# Altium PCB radioboard.PcbDoc (part 3 of 9)
Units mm, origin at the board's own origin, x right, y up, seen from the top; angles counter-clockwise.
Board outline 69.97 x 64.48 mm, 4 copper layers (Top Layer, Signal Layer 1, Signal Layer 2, Bottom Layer), stack 1.56 mm thick; 258 components, 165 nets, 993 pads, 10021 vias.
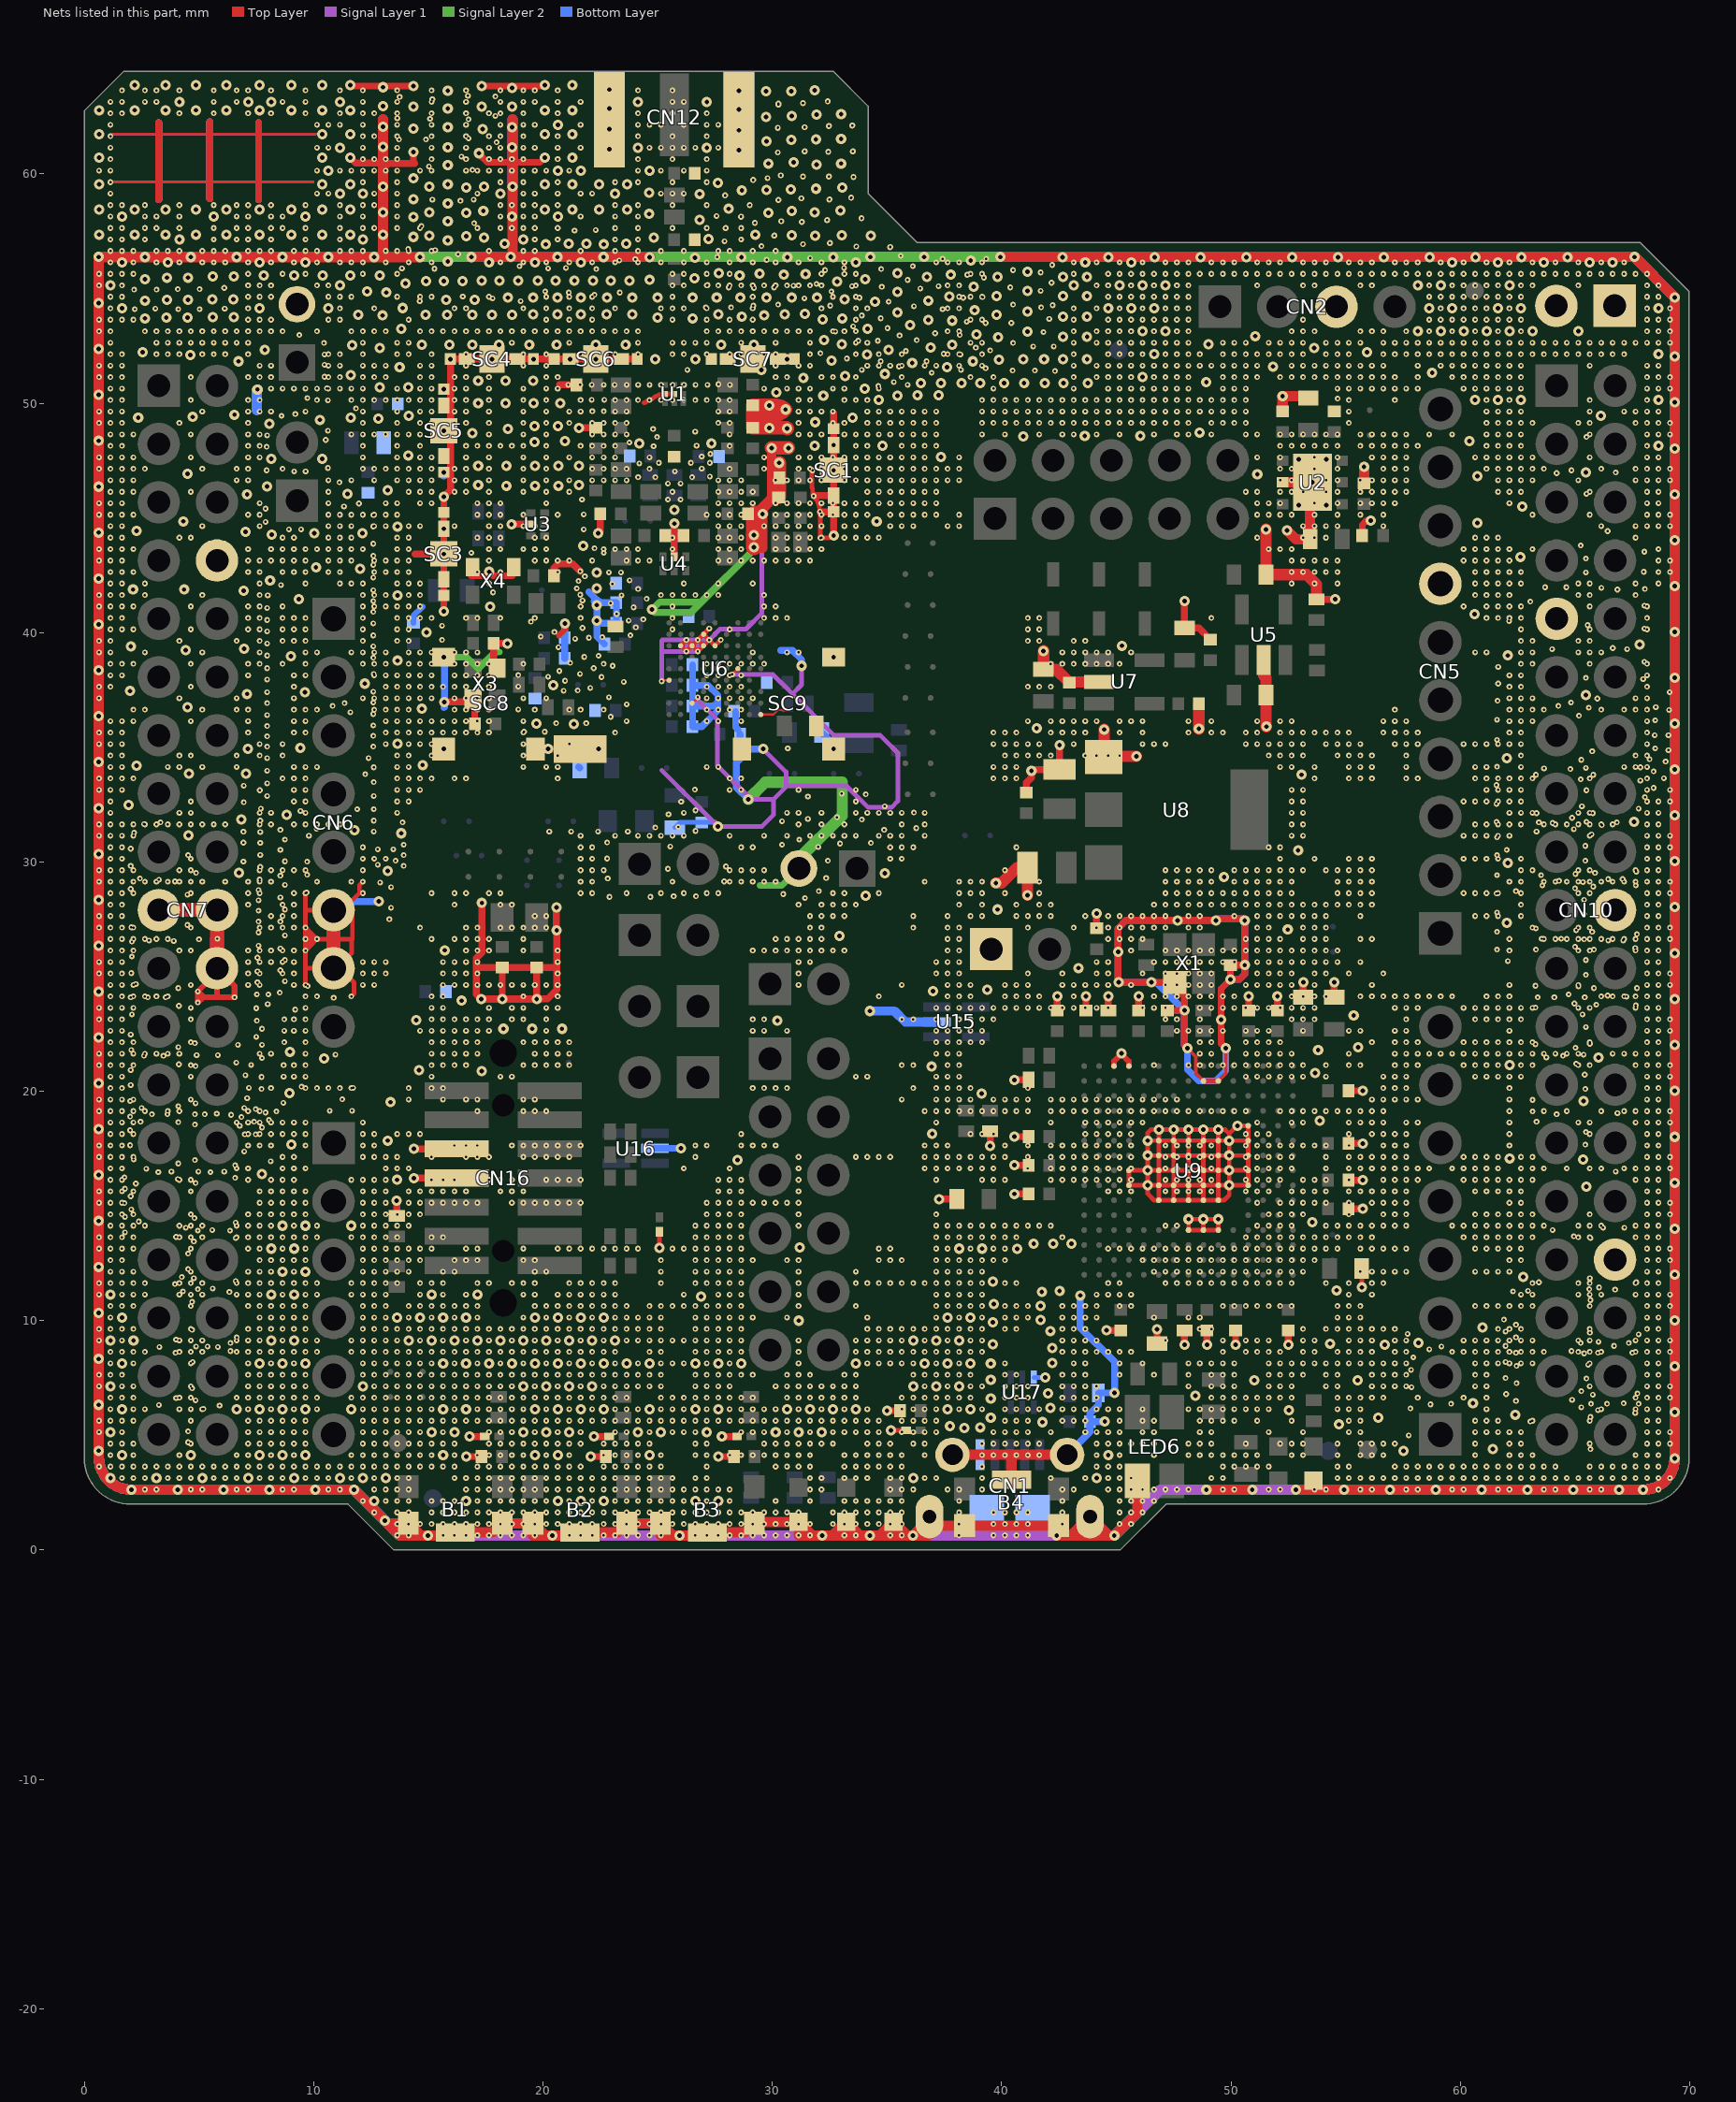
[diagram p5: the nets of this part, all layers, seen from the top]

## Via types
v1: diameter 0.25, hole 0.1, Signal Layer 2 to Bottom Layer, tented bottom, 4578 vias
v2: diameter 0.25, hole 0.1, Top Layer to Signal Layer 1, tented top, 4140 vias
v3: diameter 0.45, hole 0.2, Top Layer to Bottom Layer, tented both sides, 1295 vias
v4: diameter 0.25, hole 0.1, Top Layer to Signal Layer 1, tented both sides, 8 vias

## Nets (pads, with @x,y where several pads share a name; then routed paths per layer and width w, separated by ;. In a path a pad name is that pad's centre, name@x,y a point inside that pad or via, vN(x,y) a via of type N, cw(c..) or ccw(c..) an arc to the next point about the centre after c; other vN are vias at no path point) (continued)
GND: B1.1 B1.3 B1.5 B2.1 B2.3 B2.5 B3.1 B3.3 B3.5 B4.2 B4.4 B4.5 C5.1 C6.1 C7.1 C8.1 C9.1 C10.1 C11.1 C14.1 C17.1 C18.1 C19.1 C21.1 C22.1 C23.1 C24.2 C25.1 C26.1 C27.1 C28.1 C29.1 C30.1 C32.1 C33.1 C34.1 C35.1 C36.1 C37.2 C38.1 C39.1 C40.1 C41.1 C42.1 C43.2 C44.2 C45.1 C46.1 C47.1 C48.1 C49.1 C50.1 C51.1 C52.1 C53.1 C54.1 C55.1 C56.1 C57.1 C58.1 C59.1 C60.1 C61.1 C62.1 C63.1 C64.1 C65.1 C66.1 C67.1 C68.1 C69.1 C70.1 C71.1 C72.1 C73.1 C74.1 C75.1 C76.1 C77.2 C78.1 C79.1 C80.1 C81.1 C82.1 C83.1 C84.1 C85.1 C86.1 C87.1 C88.1 C89.1 C90.1 C92.1 C93.1 C94.1 C95.1 C96.1 C97.1 C98.1 C99.1 C100.1 C101.1 CN1.5 CN1.6 CN1.7 CN1.8 CN1.9 CN1.10 CN1.11 CN2.3 CN4.1 CN4.2 CN5.7 CN6.6 CN6.7 CN7.8 CN7.19 CN7.20 CN7.22 CN10.9 CN10.20 CN10.32 CN11.2 CN12.2 CN12.3 CN12.4 CN12.5 CN13.2 CN16.5 CN16.7 JP6.1 LED1.2 LED2.2 LED3.2 LED5.2 LED6.1 R1.1 R5.1 R8.1 R10.1 R14.1 R18.1 R26.1 R41.1 SC1.1 SC2.1 SC3.1 SC4.1 SC5.1 SC6.1 SC7.1 SC8.1 SC9.1 U1.6 U1.9 U2.2 U2.EP U3.2 U4.2 U5.2 U6.A1 U6.B7 U6.D9 U6.E3 U6.G5 U6.G6 U6.G7 U6.G8 U6.H6 U7.2 U8.1 U9.D5 U9.D6 U9.D7 U9.D8 U9.D9 U9.F2 U9.F6 U9.F7 U9.F8 U9.F9 U9.F10 U9.F12 U9.G2 U9.G6 U9.G7 U9.G8 U9.G9 U9.G10 U9.G12 U9.H6 U9.H7 U9.H8 U9.H9 U9.H10 U9.H12 U9.J6 U9.J7 U9.J8 U9.J9 U9.J10 U9.K6 U9.K7 U9.K8 U9.K9 U9.K10 U9.M1 U9.M8 U9.M9 U9.N1 U10.2 U11.2 U12.2 U13.2 U14.2 U15.2 U16.2 U17.3 U18.2 X1.2 X3.2 X3.4 X4.1 X4.2 | length 1466.1
  Top Layer w0.09: v4(25.176,37.877) 25.175,37.878 25.175,37.925 U6.D9@25.5,37.925 ; U6.A1@29.5,36.425 30.05,36.425 30.25,36.625 30.468,36.625
  Top Layer w0.1: v1(1.143,59.638) 3.25,59.638 9.977,59.638 ; v1(1.143,61.638) 1.248,61.743 10.082,61.743
  Top Layer w0.12: U6.B7@26.5,36.925 v2(26.75,37.175) ; v2(28.25,38.175) U6.E3@28.5,38.425 ; 30.468,36.625 30.625,36.625
  Top Layer w0.15: v3(48.1,21.875) 48.47,21.505 48.47,20.78 U9.G2@48.8,20.45 ; U9.F2@49.45,20.45 49.775,20.775 v3(49.775,21.875)
  Top Layer w0.2: v2(9.693,28.663) 9.643,28.613 9.643,27.825 ; v2(9.743,24.588) 9.643,24.688 9.643,25.35 ; 10.867,26.625 10.854,26.638 ; v2(11.643,24.138) 11.764,24.259 11.764,24.736 11.139,25.361 CN6.7@11,25.361 ; v2(12.143,29.138) 11.995,28.99 11.995,28.64 11.256,27.901 CN6.6@10.867,27.901 ; 24.4,50.025 ccw(c24.4,50.206) 24.528,50.078 ; 24.75,50.175 cw(c25.293,49.632) 25.293,50.4 U1.6@25.325,50.4 U1.9@25.725,50.4 ; v3(25.075,13.175) U10.2@25.075,13.875 ; v2(27.25,40.175) U6.H6@27,39.925 ; v2(27.75,39.675) U6.G5@27.5,39.425 v2(27.25,39.675) ; v2@31.725,47.075 31.725,46.323 31.757,46.291 31.757,45.993 v2@31.792,45.958 ; v3(32.675,44.225) cw(c32.434,44.466) 32.434,44.125 v2(32.1,44.125) 32.1,45.215 ccw(c32.015,45.215) v2(32.075,45.275) ccw(c31.109,45.275) v2(31.8,45.95) ; v3(35.175,5.225) U11.2@35.838,5.225 ; v3(55.7,11.45) C61.1@55.7,12.275 ; 9.643,25.35 v1(9.643,26.138) ; 9.643,25.35 9.654,25.361 CN6.7@10.867,25.361 CN6.7@11,25.361 ; v1(9.643,26.138) 9.828,26.323 ; v1(9.643,26.138) v2(9.643,26.638) ; v2(9.643,26.638) 9.828,26.638 ; v2(9.643,26.638) v1(9.643,27.138) ; v1(9.643,27.138) 9.643,27.825 ; v1(9.643,27.138) 9.828,26.953 ; 9.643,27.825 9.719,27.901 CN6.6@10.867,27.901 ; 9.828,26.323 v2(10.143,26.638) ; 9.828,26.323 9.828,26.638 ; 9.828,26.638 v2(10.143,26.638) ; 9.828,26.638 9.828,26.953 ; 9.828,26.953 v2(10.143,26.638) ; v2(10.143,26.638) 10.854,26.638 ; 10.854,26.638 10.867,26.638 11.688,26.638 ; CN6.6@10.867,27.901 10.968,27.8 11.688,27.8 11.688,26.638 ; CN6.7@11,25.361 11.656,26.017 11.656,26.606 11.688,26.638 ; U6.G7@26.5,39.425 v2(26.75,39.675) ; U6.G7@26.5,39.425 v2(26.25,39.175) U6.G8@26,39.425 v2(26.25,39.675) U6.G7@26.5,39.425 ; U6.G7@26.5,39.425 v2(26.75,39.175) U6.G6@27,39.425 ; v2(26.75,39.675) U6.G6@27,39.425 ; v2(26.75,39.675) U6.H6@27,39.925 ; U6.G6@27,39.425 v2(27.25,39.675) ; U6.H6@27,39.925 v2(27.25,39.675) ; v2@31.792,45.958 cw(c31.109,45.275) v2(31.8,45.95) ; v2@31.792,45.958 v2(31.8,45.95) ; v3(46.375,15.9) 46.375,15.525 46.65,15.25 U9.K10@46.85,15.25 ; v3(46.375,15.9) U9.K9@46.85,15.9 ; v3(46.375,15.9) U9.M9@45.55,15.9 U9.M8@45.55,16.55 v3(46.375,16.55) ; v3(46.375,15.9) v3(46.375,16.55) ; v3(46.375,16.55) U9.K8@46.85,16.55 ; v3(46.375,16.55) v3(46.375,17.2) ; v3(46.375,17.2) U9.K7@46.85,17.2 ; v3(46.375,17.2) v3(46.375,17.85) ; v3(46.375,17.85) U9.K6@46.85,17.85 ; v3(46.375,17.85) 46.375,18.2 46.5,18.325 v3(46.85,18.325) ; U9.K10@46.85,15.25 U9.K9@46.85,15.9 ; U9.K10@46.85,15.25 U9.J10@47.5,15.25 ; U9.K9@46.85,15.9 U9.K8@46.85,16.55 ; U9.K9@46.85,15.9 U9.J9@47.5,15.9 ; U9.K8@46.85,16.55 U9.K7@46.85,17.2 ; U9.K8@46.85,16.55 U9.J8@47.5,16.55 ; U9.K7@46.85,17.2 U9.K6@46.85,17.85 ; U9.K7@46.85,17.2 U9.J7@47.5,17.2 ; U9.K6@46.85,17.85 v3(46.85,18.325) ; U9.K6@46.85,17.85 U9.J6@47.5,17.85 ; v3(46.85,18.325) v3(47.5,18.325) ; U9.J10@47.5,15.25 U9.H10@48.15,15.25 ; U9.J10@47.5,15.25 U9.J9@47.5,15.9 ; U9.J9@47.5,15.9 U9.J8@47.5,16.55 ; U9.J9@47.5,15.9 U9.H9@48.15,15.9 ; U9.J8@47.5,16.55 U9.J7@47.5,17.2 ; U9.J8@47.5,16.55 U9.H8@48.15,16.55 ; U9.J7@47.5,17.2 U9.J6@47.5,17.85 ; U9.J7@47.5,17.2 U9.H7@48.15,17.2 ; U9.J6@47.5,17.85 v3(47.5,18.325) ; U9.J6@47.5,17.85 U9.H6@48.15,17.85 ; v3(47.5,18.325) v3(48.15,18.325) ; U9.H10@48.15,15.25 U9.G10@48.8,15.25 ; U9.H10@48.15,15.25 U9.H9@48.15,15.9 ; U9.H9@48.15,15.9 U9.H8@48.15,16.55 ; U9.H9@48.15,15.9 U9.G9@48.8,15.9 ; U9.H8@48.15,16.55 U9.H7@48.15,17.2 ; U9.H8@48.15,16.55 U9.G8@48.8,16.55 ; U9.H7@48.15,17.2 U9.H6@48.15,17.85 ; U9.H7@48.15,17.2 U9.G7@48.8,17.2 ; U9.H6@48.15,17.85 v3(48.15,18.325) ; U9.H6@48.15,17.85 U9.G6@48.8,17.85 ; v3(48.15,18.325) v3(48.8,18.325) ; U9.G12@48.8,13.95 v3(48.8,14.425) ; U9.G12@48.8,13.95 U9.F12@49.45,13.95 v3(49.45,14.425) v3(48.8,14.425) ; U9.G12@48.8,13.95 U9.H12@48.15,13.95 v3(48.15,14.425) v3(48.8,14.425) ; U9.G10@48.8,15.25 U9.F10@49.45,15.25 ; U9.G10@48.8,15.25 U9.G9@48.8,15.9 ; U9.G9@48.8,15.9 U9.G8@48.8,16.55 ; U9.G9@48.8,15.9 U9.F9@49.45,15.9 ; U9.G8@48.8,16.55 U9.G7@48.8,17.2 ; U9.G8@48.8,16.55 U9.F8@49.45,16.55 ; U9.G7@48.8,17.2 U9.G6@48.8,17.85 ; U9.G7@48.8,17.2 U9.F7@49.45,17.2 ; U9.G6@48.8,17.85 v3(48.8,18.325) ; U9.G6@48.8,17.85 U9.F6@49.45,17.85 ; v3(48.8,18.325) v3(49.45,18.325) ; U9.F10@49.45,15.25 U9.F9@49.45,15.9 ; U9.F10@49.45,15.25 49.7,15.25 49.925,15.475 v3(49.925,15.9) ; U9.F9@49.45,15.9 U9.F8@49.45,16.55 ; U9.F9@49.45,15.9 v3(49.925,15.9) ; U9.F8@49.45,16.55 U9.F7@49.45,17.2 ; U9.F8@49.45,16.55 v3(49.925,16.55) ; U9.F7@49.45,17.2 U9.F6@49.45,17.85 ; U9.F7@49.45,17.2 v3(49.925,17.2) ; U9.F6@49.45,17.85 v3(49.45,18.325) ; U9.F6@49.45,17.85 v3(49.925,17.85) ; v3(49.45,18.325) 49.75,18.325 49.925,18.15 ; v3(49.925,15.9) U9.D9@50.75,15.9 U9.D8@50.75,16.55 ; v3(49.925,15.9) v3(49.925,16.55) ; v3(49.925,16.55) U9.D8@50.75,16.55 ; v3(49.925,16.55) v3(49.925,17.2) ; v3(49.925,17.2) U9.D7@50.75,17.2 ; v3(49.925,17.2) v3(49.925,17.85) ; v3(49.925,17.85) 49.925,18.15 ; v3(49.925,17.85) U9.D6@50.75,17.85 ; 49.925,18.15 v3(50.275,18.5) U9.D5@50.75,18.5 U9.D6@50.75,17.85 ; U9.D8@50.75,16.55 U9.D7@50.75,17.2 ; U9.D7@50.75,17.2 U9.D6@50.75,17.85
  Top Layer w0.25: 20.7,39.875 20.95,40.125 v3@20.95,40.35 ; U9.N1@44.9,21.1 44.9,21.325 v3(45.225,21.65) 45.225,21.625 45.55,21.3 U9.M1@45.55,21.1 ; U9.G2@48.8,20.45 U9.F2@49.45,20.45 ; v2(4.95,24.35) CN7.22@5.787,25.187 ; v2(4.95,24.35) v2(4.95,23.875) 5.175,24.1 ; v2(4.95,24.35) 5.175,24.125 5.175,24.1 ; 5.175,24.1 5.8,24.1 ; CN7.22@5.787,25.187 CN7.22@5.787,25.361 6.55,24.598 v2(6.55,24.1) 5.8,24.1 ; CN7.22@5.787,25.187 5.787,24.113 5.8,24.1
  Top Layer w0.3: 3.25,58.875 3.25,59.638 3.25,62.225 ; 5.475,58.925 5.475,62.275 ; 7.6,58.875 7.6,62.225 ; v3(11.6,60.7) 11.825,60.475 12.925,60.475 13.025,60.575 ; v3(11.6,63.875) 11.625,63.9 11.7,63.825 v3(14.35,63.825) ; 13.025,60.325 13.15,60.45 14.4,60.45 14.35,60.5 v3(14.35,60.95) ; R14.1@13.625,14.575 v3(13.625,15.225) ; v3(14.372,16.218) CN16.7@16.232,16.218 ; v3(14.372,17.488) CN16.5@16.232,17.488 ; 14.425,43.425 v3(15.675,43.425) ; v3(15.675,40.925) SC3.1@15.675,41.615 ; v3(15.7,36.975) 16.825,36.975 X3.2@16.95,37.1 17.025,37.025 C38.1@17.025,36.025 ; SC3.1@15.712,41.652 SC3.1@15.675,41.615 ; v3(16.65,4.075) C68.1@17.325,4.075 ; v3(16.8,4.95) U12.2@17.462,4.95 ; X4.2@16.875,42.475 17.475,42.475 v3(17.65,42.65) 17.825,42.475 X4.1@18.675,42.475 ; v3(17.2,60.9) 17.2,60.875 17.575,60.5 18.675,60.5 19.875,60.5 v3(20.075,60.7) ; v3(17.325,63.825) 19.925,63.825 20.025,63.925 v3(20.075,63.875) ; v3(17.337,28.212) 17.337,26.037 17.101,25.801 17.101,25.4 ; X3.4@18,38.45 17.85,38.6 C30.1@17.85,39.525 v3(18.45,39.525) ; v3(18.625,44.725) U3.2@19.475,44.725 ; SC8.1@19.445,34.855 19.515,34.925 v3(20.225,34.925) v3(22.425,34.925) ; C27.1@20.475,42.475 20.475,42.825 20.65,43 21.3,43 v2(21.625,42.675) ; v3(20.588,28.025) 20.588,27.037 v3(20.6,27.025) 20.6,25.4 ; 20.725,50.8 C7.1@21.45,50.8 ; v3(21.575,48.925) C11.1@22.3,48.925 ; v3(22.075,4.075) C69.1@22.75,4.075 ; v3(22.225,4.95) U13.2@22.888,4.95 ; v3(22.4,44.325) 22.5,44.425 C22.1@22.5,45.175 ; SC6.1@24.15,51.925 v3(21.175,51.925) v3(15.965,51.925) 15.965,46.215 v3(15.675,45.925) v3(15.675,44.525) v3(15.675,43.425) ; C24.2@25.325,44.225 25.725,44.225 ; U4.2@25.725,43.3 25.725,44.225 ; v3@25.725,44.8 25.725,44.225 ; C25.1@26.125,44.225 25.725,44.225 ; v3(27.65,4.075) C70.1@28.325,4.075 ; v3(27.8,4.95) U14.2@28.463,4.95 ; v2@31.807,45.993 ccw(c31.85,46.036) 31.85,45.975 SC1.1@32.675,45.975 ; v2@32.1,45.215 cw(c32.222,45.093) 32.222,45.265 SC1.1@32.675,45.265 ; v3(32.675,44.225) SC1.1@32.675,45.265 ; v2@32.675,49.575 v3(32.675,48.175) v3(32.675,47.075) SC1.1@32.675,45.975 ; v3(35,6.075) C67.1@35.575,6.075 ; v3(37.275,15.3) C59.1@38.05,15.3 ; v3(39.5,17.625) R10.1@39.5,18.25 ; v3(40.55,15.525) C58.1@41.175,15.525 ; v3(40.55,16.775) C56.1@41.175,16.775 ; v3(40.55,18.025) C54.1@41.175,18.025 ; v3(40.55,20.5) R8.1@41.175,20.5 ; C100.1@41.075,33.025 41.075,33.45 41.3,33.675 v3(41.3,33.975) 41.35,34.025 C39.1@42.525,34.025 v3(42.525,35.1) ; C47.1@42.425,23.525 v3(42.425,24.15) ; C48.1@43.675,23.525 v3(43.675,24.15) ; C41.1@44.14,27.1 v3(44.14,27.76) ; v3(44.575,9.575) C62.1@45.2,9.575 ; R5.1@44.65,23.525 v3(44.65,24.15) ; v3(45.075,26.075) v3@45.08,26.07 ; C49.1@45.975,23.525 v3(45.975,24.15) ; C63.1@46.775,9 v3(46.775,9.625) ; C50.1@47.3,23.6 C50.1@47.225,23.525 v3(47.975,23.525) ; v3(47.975,8.95) R18.1@47.975,9.575 ; v3(47.975,41.375) C28.1@47.975,40.2 48.6,40.2 C29.1@49.1,39.7 ; v3(48.1,21.875) 47.975,22 v3(47.975,23.525) ; v3(48.95,8.95) C64.1@48.95,9.575 ; v3(49.775,21.875) 49.57,22.08 v3(49.57,23.12) 49.57,24.47 v3(49.975,24.875) ; v3(50.2,8.95) C65.1@50.2,9.575 ; C51.1@50.775,23.525 v3(50.775,24.15) ; C52.1@52.025,23.525 v3(52.025,24.15) ; v3(52.5,8.95) C66.1@52.5,9.575 ; C45.1@53.15,24.1 v3(53.15,24.75) ; R1.1@53.725,41.45 v3(54.55,41.45) ; C46.1@54.5,24.1 v3(54.5,24.75) ; C60.1@55.125,14.875 v3(55.75,14.875) ; C57.1@55.125,16.125 v3(55.75,16.125) ; C55.1@55.125,17.725 v3(55.75,17.725) ; C53.1@55.125,20.025 v3(55.75,20.025) ; C101.1@55.725,44.225 55.725,44.7 55.9,44.875 v3(56.1,44.875) ; SC3.1@15.675,41.615 v3(15.675,43.425) ; 17.101,25.4 C43.2@18.225,25.4 ; 17.101,25.4 17.101,24.224 v3(17.3,24.025) 18.223,24.025 v3(18.225,24.027) ; v3(18.225,24.027) C43.2@18.225,25.4 ; v3(18.225,24.027) 18.226,24.026 19.724,24.026 v3@19.725,24.027 ; C43.2@18.225,25.4 C44.2@19.725,25.4 ; v3@19.725,24.027 v3(19.726,24.026) 20.201,24.026 20.6,24.425 20.6,25.4 ; v3@19.725,24.027 C44.2@19.725,25.4 ; C44.2@19.725,25.4 20.6,25.4 ; SC1.1@32.675,45.265 SC1.1@32.675,45.975 ; v3@45.08,26.07 45.08,24.77 v3(45.1,24.75) v3(46.525,24.75) X1.2@47.55,24.75 47.55,24.6 47.975,24.175 v3(47.975,23.525) ; v3@45.08,26.07 45.08,27.105 45.425,27.45 v3(47.675,27.45) v3(49.35,27.45) 49.375,27.45 49.445,27.52 50.526,27.52 v3(50.599,27.447) v3(50.599,27.447) v3(50.6,25.5) ; v3(49.975,24.875) 50.375,24.875 50.6,25.1 v3(50.6,25.5) ; v3(49.975,24.875) C42.1@49.975,25.5 v3(50.6,25.5)
  Top Layer w0.4: v3(29.2,43.725) ccw(c29.321,43.846) 29.321,43.675 29.598,43.675 29.598,45.119 ccw(c29.519,45.119) v3(29.575,45.175) cw(c30.058,45.175) 29.716,45.516 29.825,45.625 ccw(c29.463,45.987) 29.975,45.987 ; C21.1@29.2,45.115 29.26,45.175 29.906,45.821 ccw(c29.74,45.987) 29.975,45.987 ; v3(29.975,48.05) 29.975,45.987
  Top Layer w0.45: 13.025,62.377 13.025,60.575 ; 13.15,60.45 13.025,60.575 ; v3(14.64,56.373) 13.025,56.373 ; v3(16.873,56.373) 16.875,56.375 v3@24.675,56.375 ; v3@18.598,56.373 ccw(c18.412,56.559) 18.675,56.559 v3(18.675,59.45) 18.675,60.5 18.675,62.377 ; CN1.8@36.856,1.45 CN1.8@36.856,1.356 ; CN1.7@37.856,4.15 40.45,4.15 ; v3(39.95,56.375) v3(67.589,56.375) v3(69.347,54.617) v3(69.347,4) cw(c67.972,4) v3(67.972,2.625) 61.675,2.625 54.926,2.625 v3(52.825,2.625) ; B4.5@40.433,3.066 40.433,4.133 40.45,4.15 ; v3(42.4,0.625) 43.031,0.625 ; B4.2@42.483,1.066 B4.4@38.383,1.066 37.146,1.066 CN1.8@36.856,1.356 ; CN1.6@42.856,4.15 40.45,4.15 ; LED6.1@45.917,3.015 45.917,1.631 v3(44.911,0.625) 44.681,0.625 ; v3(48.926,2.623) v3(50.926,2.623) ; U2.2@52.25,46.55 v3(53.55,46.55) 53.45,46.45 C23.1@53.45,44.075 52.825,44.075 v3(52.45,44.45) ; C10.1@52.25,49.65 v3(52.25,50.3) 53.3,50.3 C9.1@53.375,50.225 ; C18.1@55.8,46.5 v3(55.8,47.225) ; 13.025,56.373 v3(12.64,56.373) v3(10.64,56.373) v3(8.64,56.373) v3(6.64,56.373) v3(4.64,56.373) v3(2.64,56.373) 0.627,56.373 v3(0.625,56.375) 0.625,4.062 ccw(c2.062,4.062) v3(2.062,2.625) v3(11.757,2.625) v3(13.107,1.275) v3@13.214,1.168 ; 13.025,56.373 v3(13.025,59.45) 13.025,60.325 13.025,60.575 ; v3@13.214,1.168 B1.1@14.127,1.168 14.67,0.625 ; v3@13.214,1.168 13.757,0.625 14.67,0.625 ; 14.67,0.625 v3(14.975,0.625) 16.034,0.625 B1.5@16.177,0.768 17.827,0.768 B1.3@18.227,1.168 B2.1@19.561,1.168 ; B2.1@19.561,1.168 20.104,0.625 ; B2.1@19.561,1.168 19.561,0.636 19.572,0.625 20.104,0.625 ; 20.104,0.625 v3(20.4,0.625) 21.468,0.625 B2.5@21.611,0.768 23.261,0.768 B2.3@23.661,1.168 B3.1@25.124,1.168 ; B3.1@25.124,1.168 25.667,0.625 ; B3.1@25.124,1.168 25.124,0.651 25.15,0.625 25.667,0.625 ; 25.667,0.625 v3(25.95,0.625) 27.031,0.625 B3.5@27.174,0.768 28.824,0.768 B3.3@29.224,1.168 29.281,1.225 LED1.2@31.147,1.225 ; LED1.2@31.147,1.225 31.147,0.625 31.747,0.625 ; LED1.2@31.147,1.225 31.747,0.625 ; 31.747,0.625 v3(32.175,0.625) 32.617,0.625 ; 32.617,0.625 LED2.2@33.217,1.225 33.817,0.625 ; 32.617,0.625 33.817,0.625 ; 33.817,0.625 v3(34.25,0.625) 34.677,0.625 ; 34.677,0.625 LED3.2@35.277,1.225 35.877,0.625 ; 34.677,0.625 35.877,0.625 ; 35.877,0.625 v3(36.125,0.625) ; v3(36.125,0.625) 36.8,0.625 36.856,0.681 CN1.8@36.856,1.356 ; v3(36.125,0.625) CN1.8@36.856,1.356 ; 43.031,0.625 CN1.9@43.856,1.45 44.681,0.625 ; 43.031,0.625 44.681,0.625
  Top Layer w0.5: C21.1@28.95,45.175 29.225,45.175 29.26,45.175 v3(29.575,45.175) ; v3(39.75,29.075) 39.991,29.075 40.666,29.75 C40.1@41.125,29.75 v3(41.125,28.55) ; v3(41.825,39.2) C32.1@41.825,38.4 42.375,38.4 C33.1@42.95,37.825 42.975,37.85 U7.2@44.25,37.85 ; U8.1@44.45,34.575 U8.1@44.475,34.6 ; v3(44.475,35.775) U8.1@44.475,34.6 ; v3(45.875,34.6) U8.1@44.475,34.6 ; v3(48.6,35.8) C36.1@48.6,36.9 ; U5.2@51.425,38.8 51.425,38.125 51.525,38.025 C34.1@51.525,37.275 51.525,35.9 v3(51.55,35.9) ; v3(51.525,44.5) C26.1@51.525,42.525 53.3,42.525 53.725,42.1 R1.1@53.725,41.45
  Top Layer w0.6: CN7.19@3.247,27.901 CN7.20@5.787,27.901 CN7.22@5.787,25.361 ; CN6.7@10.867,25.361 10.867,26.625 10.867,26.638 CN6.6@10.867,27.901 ; v3(29.975,48.05) v3(30.7,48.05) ; C19.1@30.275,45.9 ccw(c30.215,45.96) 30.3,45.96 C17.1@30.3,46.75 v3(30.3,47.4) ; 29.15,49.412 C8.1@29.15,49.9 v3(29.875,49.9) 30.153,49.9 ; 29.15,49.412 C14.1@29.15,48.925 v3(29.875,48.925) v3@30.59,48.925 ; 29.15,49.412 29.821,49.412 ccw(c29.821,50.479) v3(30.575,49.725) ; 30.153,49.9 cw(c30.153,49.303) v3(30.575,49.725) ; 30.153,49.9 cw(c30.153,49.303) v3(30.575,49.725) ; v3@30.59,48.925 cw(c30.59,48.84) v3(30.65,48.9) ccw(c30.59,48.84) v3@30.59,48.925
  Top Layer w0.7: v3(29.2,43.725) v3(29.2,44.25) 29.2,45.115 cw(c29.285,45.115) 29.225,45.175
  Signal Layer 1 w0.1: v1(1.143,59.638) 3.25,59.638 9.977,59.638 ; v1(1.143,61.638) 1.248,61.743 10.082,61.743
  Signal Layer 1 w0.2: 25.176,34.002 v3(27.626,31.552) 29.552,31.552 30.05,32.05 30.05,32.725 ; v4(25.176,37.877) 25.176,39.15 ; v2(26.75,37.175) 26.75,37.05 27.6,36.2 27.6,34.2 28.95,32.85 v3(28.95,32.725) 30.05,32.725 ; v2(28.25,38.175) 30.025,38.175 30.875,37.325 ; 28.95,44.275 29.55,43.675 29.55,40.85 28.85,40.15 27.725,40.15 v2(27.25,39.675) v2(26.75,39.675) ; v3(29.6,34.925) 30.6,33.925 30.6,33.275 ; v3(31.275,38.55) 31.275,37.725 30.875,37.325 ; v3(32.675,34.925) 32.675,35.525 ; 25.176,39.15 25.201,39.175 v2(26.25,39.175) ; 25.176,39.15 25.176,39.65 25.201,39.675 v2(26.25,39.675) ; v2(26.25,39.175) v2(26.75,39.175) v2(26.75,39.675) ; v2(26.25,39.175) v2(26.25,39.675) ; v2(26.25,39.675) v2(26.75,39.675) ; 30.05,32.725 30.6,33.275 ; 30.6,33.275 30.645,33.32 33.23,33.32 34.175,32.375 35.2,32.375 35.475,32.65 35.475,34.75 34.7,35.525 32.675,35.525 ; 30.875,37.325 32.675,35.525
  Signal Layer 1 w0.3: 3.25,58.875 3.25,59.638 3.25,62.225 ; 5.475,58.925 5.475,62.275 ; 7.6,58.875 7.6,62.225
  Signal Layer 1 w0.45: v3(0.625,56.375) 0.625,4.062 ccw(c2.062,4.062) v3(2.062,2.625) v3(11.757,2.625) v3(13.107,1.275) 13.757,0.625 v3(44.911,0.625) 46.911,2.625 61.675,2.625 v3(67.972,2.625) ccw(c67.972,4) v3(69.347,4) v3(69.347,54.617) v3(67.589,56.375)
  Signal Layer 1 w0.6: CN7.19@3.475,27.925 3.499,27.901 CN7.20@5.787,27.901 ; CN7.22@5.787,25.361 5.787,26.637 v2(5.8,26.65) 5.8,27.825 CN7.20@5.85,27.875 ; CN6.6@10.825,27.95 10.867,27.908 CN6.6@10.867,27.901 CN6.7@10.867,25.361
  Signal Layer 2 w0.1: v1(1.143,59.638) 3.25,59.638 9.977,59.638 ; v1(1.143,61.638) 1.248,61.743 10.082,61.743
  Signal Layer 2 w0.3: 3.25,58.875 3.25,59.638 3.25,62.225 ; 5.475,58.925 5.475,62.275 ; 7.6,58.875 7.6,62.225 ; v3(15.675,38.925) 16.675,38.925 17.175,38.425 17.9,39.15 18.1,39.15 ; 28,42.45 26.875,41.325 25.075,41.325 v3(24.75,41) 24.875,40.875 26.45,40.875 29.2,43.625 v3(29.2,43.725) v3@29.2,43.775 ; 29.475,28.975 30.42,28.975 CN11.2@31.16,29.715
  Signal Layer 2 w0.45: 0.625,4.062 ccw(c2.062,4.062) v3(2.062,2.625) v3(11.757,2.625) v3(13.107,1.275) 13.757,0.625 v3(44.911,0.625) 46.911,2.625 61.675,2.625 v3(67.972,2.625) ccw(c67.972,4) v3(69.347,4) v3(69.347,54.617) v3(67.589,56.375) v3(0.625,56.375) 0.625,4.062
  Signal Layer 2 w0.5: v3(28.95,32.725) 29.7,33.475 33.05,33.475 33.05,32.025 31.16,30.135 CN11.2@31.16,29.715
  Bottom Layer w0.1: v1(1.143,59.638) 3.25,59.638 9.977,59.638 ; v1(1.143,61.638) 1.248,61.743 10.082,61.743
  Bottom Layer w0.2: C88.1@25.75,31.5 25.975,31.725 C89.1@26.925,31.725 27.525,31.725 27.65,31.6 27.65,31.575 v3(27.626,31.552) ; U17.3@41.4,7.525 v3(41.9,7.525)
  Bottom Layer w0.25: C96.1@14.35,40.425 14.35,40.725 14.75,41.125
  Bottom Layer w0.3: 3.25,58.875 3.25,59.638 3.25,62.225 ; 5.475,58.925 5.475,62.275 ; 7.6,58.875 7.6,62.225 ; CN6.6@10.867,27.901 11.241,28.275 v3(12.85,28.275) ; 15.675,36.725 15.7,36.75 v3(15.7,36.975) 15.7,38.9 v3(15.675,38.925) ; v3(17.3,24.025) 17.302,24.027 19.323,24.027 ; v3(18.225,24.027) 19.323,24.027 ; v3(19.726,24.026) 19.725,24.027 19.323,24.027 ; C79.1@20.95,38.875 C77.2@20.95,39.775 v3(20.95,40.4) ; C87.1@21.55,34.15 C87.1@21.6,34.1 ; 21.996,41.779 22.325,41.45 v3@22.233,41.358 ; C78.1@22.675,39.5 22.35,39.825 v3(22.35,40.525) ; U16.2@24.888,17.512 v3(26.013,17.512) ; C80.1@26.525,38.6 C82.1@26.525,37.7 ; C37.2@28.4,36.55 28.4,35.875 C86.1@28.5,35.775 ; C86.1@28.6,35.575 28.6,34.925 29.025,34.925 ; v3(28.95,32.725) 28.425,33.25 28.425,34.325 29.025,34.925 ; v3(29.6,34.925) 29.025,34.925 ; 30.375,39.225 30.875,39.225 31.275,38.825 v3(31.275,38.55) ; C85.1@32.15,35.65 32.675,35.125 v3(32.675,34.925) ; CN1.6@42.856,4.15 43.85,5.144 C90.1@43.85,5.6 ; v3(43.425,11.1) 43.425,9.7 44.925,8.2 v3(44.925,6.85) U18.2@44.225,6.85 44.225,6.325 43.85,5.95 C90.1@43.85,5.6 ; v3(44.5,5.6) C90.1@43.85,5.6 ; v3(49.775,21.875) 49.775,20.9 49.325,20.45 48.6,20.45 48.1,20.95 v3(48.1,21.875) 47.975,22 v3(47.975,23.525) 46.75,24.75 v3(46.525,24.75) v3(45.1,24.75) 45.075,24.775 v3(45.075,26.075) 45.075,27.1 45.425,27.45 v3(47.675,27.45) v3(49.35,27.45) 49.42,27.52 50.526,27.52 v3(50.599,27.447) v3(50.6,25.5) v3(50.6,25.5) 50.6,25.1 50.375,24.875 v3(49.975,24.875) 49.57,24.47 v3(49.57,23.12) 49.57,22.105 v3@49.8,21.875 ; v3(22.35,40.525) ccw(c22.652,40.827) 22.652,40.4 C76.1@23.2,40.4 C74.1@23.2,41.3 22.687,41.3 cw(c22.687,41.812) 22.325,41.45 22.35,41.425 v3(22.35,40.525) ; C83.1@26.525,36.8 27.625,36.8 ; C83.1@26.525,36.8 C84.1@26.525,35.9 26.925,35.9 27.625,36.6 27.625,36.8 ; C83.1@26.525,36.8 C82.1@26.525,37.7 ; C82.1@26.525,37.7 27.2,37.7 27.625,37.275 27.625,36.8
  Bottom Layer w0.4: v3(34.25,23.5) 35.325,23.5 35.8,23.025 U15.2@37.175,23.025
  Bottom Layer w0.45: 7.525,49.7 7.525,50.575 v3(7.55,50.6) ; v3(13.025,59.45) 13.025,62.377 ; v3@15.675,46.9 v3(15.675,46.99) ; v3(18.675,59.45) 18.675,62.377 ; 0.625,4.062 ccw(c2.062,4.062) v3(2.062,2.625) v3(11.757,2.625) v3(13.107,1.275) 13.757,0.625 v3(44.911,0.625) 46.911,2.625 61.675,2.625 v3(67.972,2.625) ccw(c67.972,4) v3(69.347,4) v3(69.347,54.617) v3(67.589,56.375) v3(0.625,56.375) 0.625,4.062